# Allegro board ultrasound_tnr_1000a_01_20171121.brd (continued)
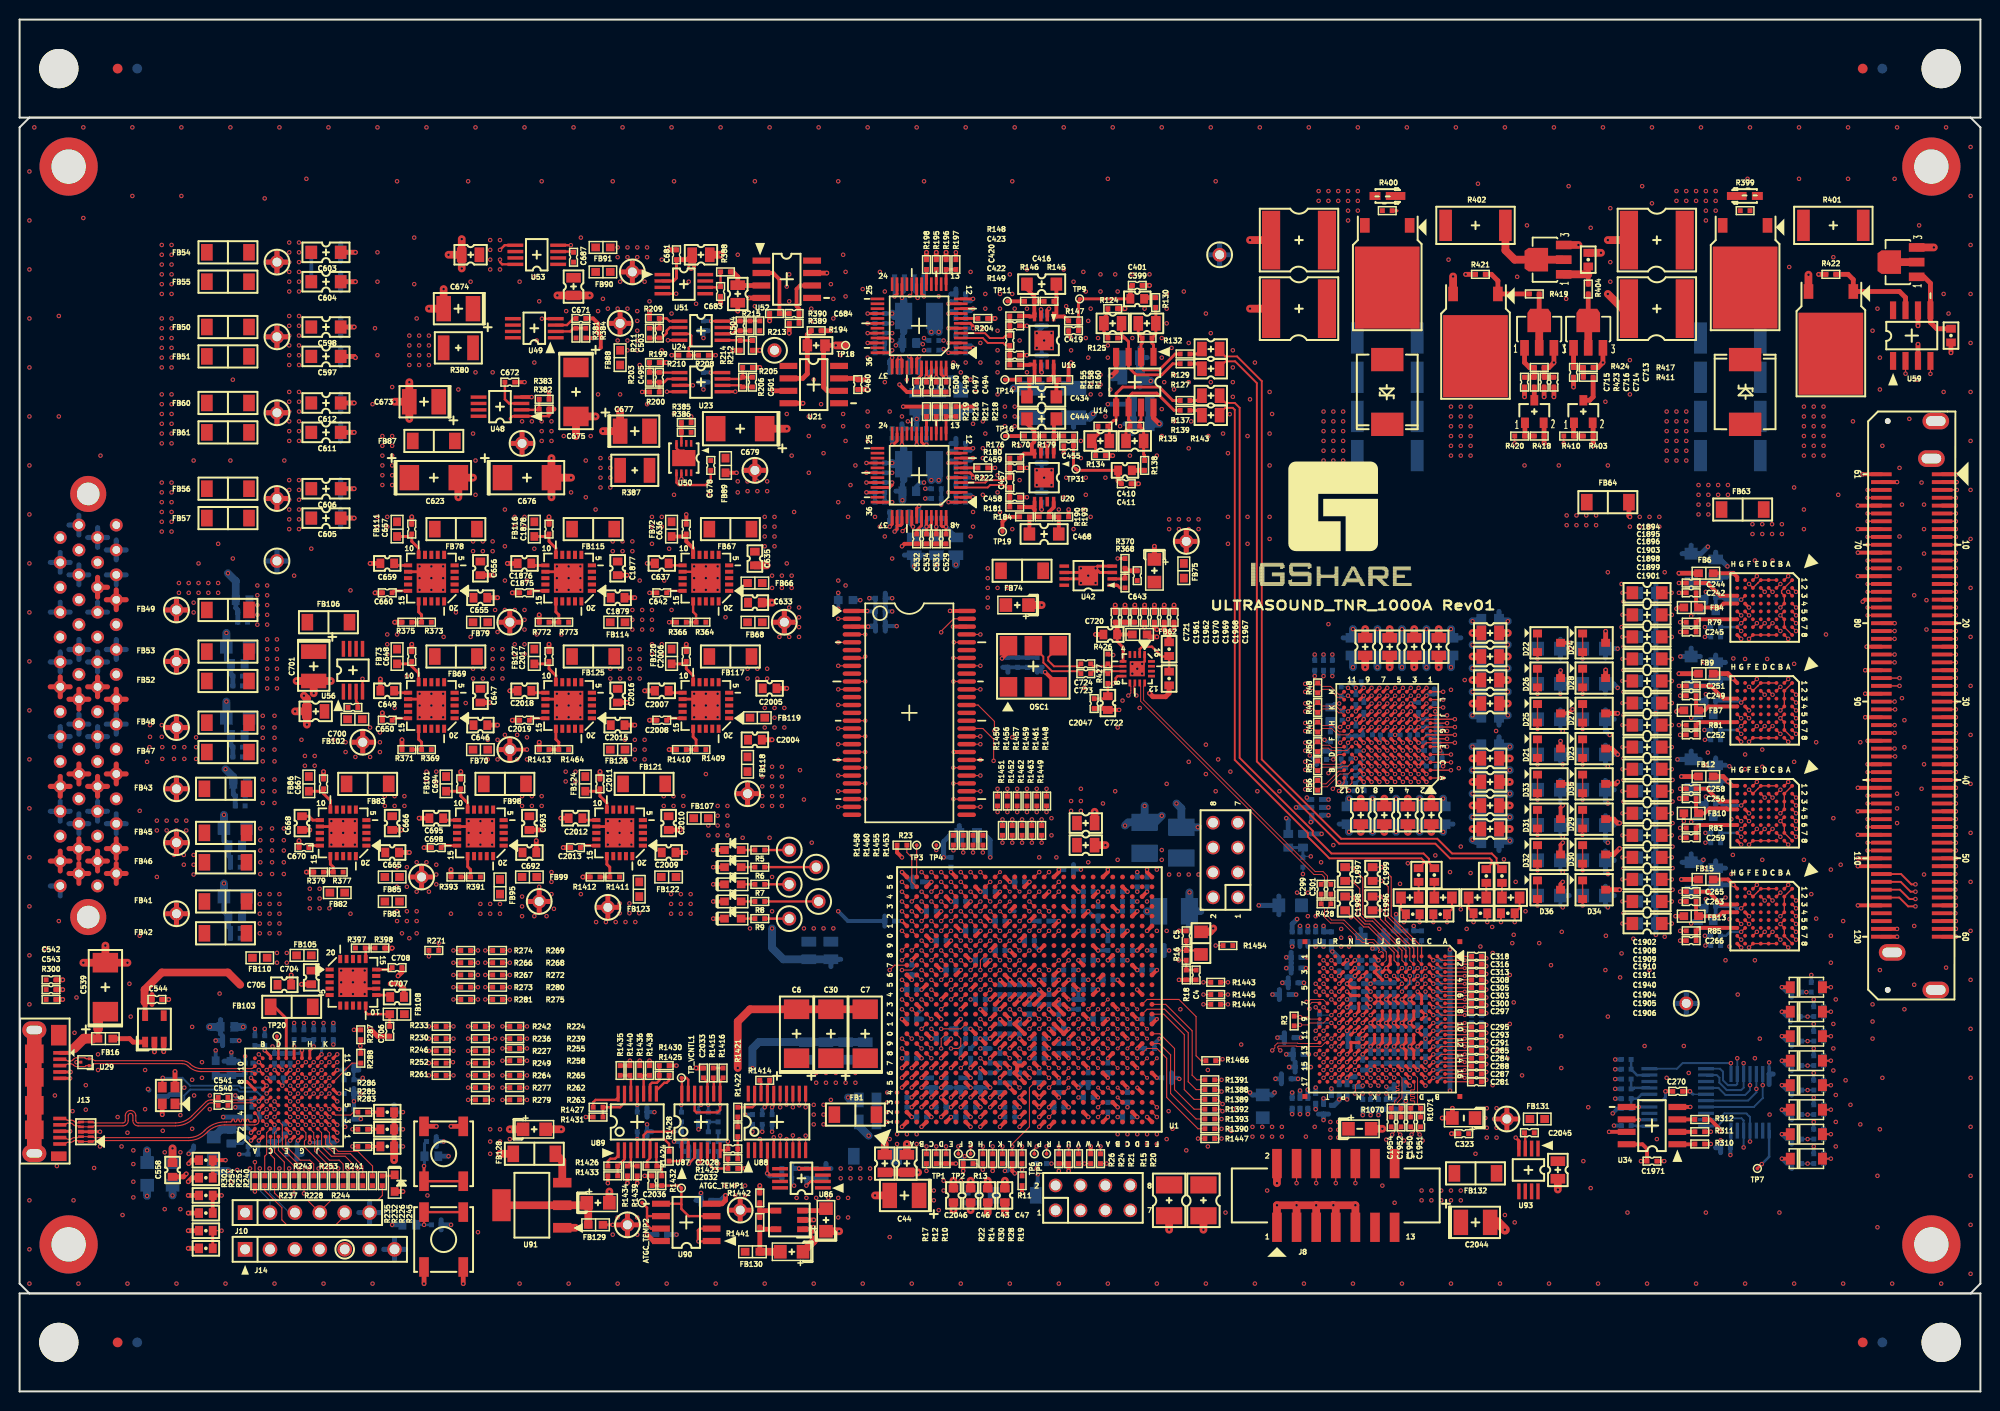
[diagram p0: board, top side]
## Placement (name value [footprint] x y rotation side) (continued)
R274  22  [RC1005]  45.5 45 180 top
R275  22  [RC1005]  48.75 40 180 top
R276  10K  [RC1608]  37.5 25 180 top
R277  22  [RC1005]  47 31 180 top
R278  10K  [RC1608]  37.5 25 180 bottom
R279  22  [RC1005]  47 29.75 180 top
R280  22  [RC1005]  48.75 41.25 180 top
R281  22  [RC1005]  45.5 40 180 top
R282  10K  [RC1608]  37.5 26.75 180 top
R283  22  [RC1005]  35 25 180 top
R284  10K  [RC1608]  37.5 26.75 180 bottom
R285  22  [RC1005]  35 26.75 180 top
R286  22  [RC1005]  35 28.5 180 top
R287  22  [RC1005]  34.8 36.4 270 top
R288  22  [RC1005]  34.8 34 270 top
R289  10K  [RC1608]  37.5 28.5 180 top
R290  10K  [RC1608]  37.5 28.5 180 bottom
R291  2K  [RC1005]  26 34 90 bottom
R292  2K  [RC1005]  26.8 34 90 bottom
R293  10K  [RC1608]  19 18.2 180 top
R294  10K  [RC1608]  19 23.6 180 top
R295  10K  [RC1608]  19 14.6 180 top
R296  10K  [RC1608]  19 20 0 top
R297  10K  [RC1608]  19 21.8 0 top
R298  10K  [RC1608]  19 16.4 0 top
R300  1M  [RC1005]  3.2 40 180 top
R301  6.04K  [RC1005]  26.4 32 0 bottom
R302  200  [RC1005]  24 21.5 270 top
R310  1K  [RC1005]  171.38 25.25 180 top
R311  1K  [RC1005]  171.38 26.5 180 top
R312  1K  [RC1005]  171.38 27.75 180 top
R356  26.1K  [RC3216]  31.25 105.62 180 bottom
R357  26.1K  [RC3216]  31.25 108.62 180 bottom
R358  26.1K  [RC3216]  31.25 113.25 180 bottom
R359  26.1K  [RC3216]  31.25 116.25 180 bottom
R360  26.1K  [RC3216]  31.25 89.12 180 bottom
R361  26.1K  [RC3216]  31.25 92.12 180 bottom
R362  26.1K  [RC3216]  31.25 97.88 180 bottom
R363  26.1K  [RC3216]  31.25 100.88 180 bottom
R364  15.4K  [RC1005]  69.5 78.5 0 top
R366  4.99K  [RC1005]  67.5 78.5 0 top
R368  36K  [RC1005]  112.75 82.5 270 top
R369  10.5K  [RC1005]  41.5 65.5 0 top
R370  20.5K  [RC1005]  112.75 84.5 270 top
R371  4.99K  [RC1005]  39.5 65.5 0 top
R373  6.19K  [RC1005]  41.5 78.5 0 top
R375  4.99K  [RC1005]  39.5 78.5 0 top
R377  2.37K  [RC1005]  32.5 53 0 top
R379  4.99K  [RC1005]  30.5 53 0 top
R380  0  [RC3225]  44.75 106.5 180 top
R381  10.2K  [RC1005]  56.75 108 270 top
R382  10K  [RC1005]  53.5 100.25 0 top
R383  1.37K  [RC1005]  53.5 101.25 180 top
R384  3.24K  [RC1005]  57.75 108 90 top
R385  3.32K  [RC1005]  68 98.88 0 top
R386  10K  [RC1005]  68 97.88 180 top
R387  0  [RC3225]  62.75 94 180 top
R388  10K  [RC1005]  72 114.25 180 top
R389  100  [RC1005]  79 109 0 top
R390  10K  [RC1005]  77 110 0 top
R391  1.24K  [RC1005]  46.5 52.5 0 top
R393  4.99K  [RC1005]  44.5 52.5 0 top
R397  15.4K  [RC1005]  34.75 45.25 180 top
R398  4.99K  [RC1005]  36.75 45.25 180 top
R399  47K  [RC1005]  176 120.5 180 top
R400  47K  [RC1005]  139.5 120.5 180 top
R401  4.7K  [RC6432]  185 119 180 top
R402  4.7K  [RC6432]  148.5 119 180 top
R403  47K  [RC1005]  160 97.5 180 top
R404  1K  [RC1005]  160 112.5 270 top
R405  120  [RC6432]  174.5 107.5 180 bottom
R406  120  [RC6432]  174.5 103.5 180 bottom
R407  120  [RC6432]  174.5 99.5 180 bottom
R408  120  [RC6432]  174.5 95.5 180 bottom
R409  10K  [RC1608]  197 107.75 90 top
R410  4.7K  [RC1005]  158 97.5 180 top
R411  10K  [RC1005]  160 103.5 0 top
R412  10K  [RC1608]  160 115.5 270 top
R413  120  [RC6432]  139.5 107.5 180 bottom
R414  120  [RC6432]  139.5 95.5 180 bottom
R415  120  [RC6432]  139.5 99.5 180 bottom
R416  120  [RC6432]  139.5 103.5 180 bottom
R417  47K  [RC1005]  160 104.5 180 top
R418  47K  [RC1005]  155 97.5 180 top
R419  1K  [RC1005]  154.5 112 0 top
R420  4.7K  [RC1005]  153 97.5 180 top
R421  10K  [RC1005]  149 114 0 top
R422  10K  [RC1005]  184.75 114 0 top
R423  10K  [RC1005]  154.5 103 270 top
R424  47K  [RC1005]  155 104.5 180 top
R425  100K  [RC1608]  39.75 17 0 bottom
R426  49.9  [RC1005]  111 74.75 90 top
R427  49.9  [RC1005]  111 72.75 270 top
R428  100  [RC1005]  133.25 49.75 180 top
R429  100  [RC1005]  132.6 38 90 bottom
R772  4.99K  [RC1005]  53.5 78.5 0 top
R773  15.4K  [RC1005]  55.5 78.5 0 top
R1022  1K  [RC2012]  166 81.5 180 bottom
R1024  1K  [RC2012]  166 79.25 180 bottom
R1026  1K  [RC2012]  166 77 180 bottom
R1031  1K  [RC2012]  166 72.5 180 bottom
R1033  1K  [RC2012]  166 70.25 180 bottom
R1037  1K  [RC2012]  166 68 180 bottom
R1039  1K  [RC2012]  166 65.75 180 bottom
R1040  1K  [RC2012]  166 74.75 180 bottom
R1041  1K  [RC2012]  166 54.5 180 bottom
R1043  1K  [RC2012]  166 52.25 180 bottom
R1045  1K  [RC2012]  166 50 180 bottom
R1047  1K  [RC2012]  166 47.75 180 bottom
R1051  1K  [RC2012]  166 63.5 180 bottom
R1053  1K  [RC2012]  166 61.25 180 bottom
R1055  1K  [RC2012]  166 59 180 bottom
R1057  1K  [RC2012]  166 56.75 180 bottom
R1070  100  [RC1005]  140.4 28.9 180 top
R1071  100  [RC1005]  142.4 28.9 0 top
R1074  10K  [RC1608]  129.4 56.2 270 bottom
R1388  0  [RC1005]  121.4 30.8 0 top
R1389  0  [RC1005]  121.4 29.8 0 top
R1390  0  [RC1005]  121.4 26.8 0 top
R1391  0  [RC1005]  121.4 31.8 0 top
R1392  0  [RC1005]  121.4 28.8 0 top
R1393  0  [RC1005]  121.4 27.8 0 top
R1397  2K  [RC1608]  149 48.8 0 bottom
R1398  2K  [RC1608]  151.8 48.8 180 bottom
R1399  499  [RC1608]  149.6 52.6 90 top
R1400  499  [RC1608]  151.2 52.6 90 top
R1401  2K  [RC1608]  144.9 48.7 180 bottom
R1402  499  [RC1608]  144.3 52.7 90 top
R1403  2K  [RC1608]  142.1 48.7 0 bottom
R1404  499  [RC1608]  142.7 52.7 90 top
R1405  2K  [RC1608]  138 49.8 270 bottom
R1406  2K  [RC1608]  135.2 52.8 270 bottom
R1407  2K  [RC1608]  135.2 49.8 90 bottom
R1408  2K  [RC1608]  138 52.8 90 bottom
R1409  6.19K  [RC1005]  69.5 65.5 0 top
R1410  4.99K  [RC1005]  67.5 65.5 0 top
R1411  6.19K  [RC1005]  60.7 52.5 0 top
R1412  4.99K  [RC1005]  58.7 52.5 0 top
R1413  4.99K  [RC1005]  53.5 65.5 0 top
R1414  22  [RC1005]  76 31.75 0 top
R1415  1K  [RC1005]  70.75 32.5 90 top
R1416  1K  [RC1005]  71.75 32.5 270 top
R1417  6.34K  [RC1005]  70.75 24.5 180 bottom
R1418  6.34K  [RC1005]  70.75 25.5 0 bottom
R1419  4.22K  [RC1005]  70.75 26.5 180 bottom
R1420  4.22K  [RC1005]  70.25 28 90 bottom
R1421  49.9  [RC1005]  73.25 28.5 270 top
R1422  6.34K  [RC1005]  73.25 26.5 270 top
R1423  6.34K  [RC1005]  72.75 23.75 180 top
R1424  2.87K  [RC1005]  64.5 23 0 top
R1425  2.87K  [RC1005]  65.75 32.25 0 top
R1426  2.87K  [RC1005]  60.5 23 180 top
R1427  2.87K  [RC1005]  59 29 180 top
R1428  4.7K  [RC1005]  66.25 24 90 top
R1429  4.7K  [RC1005]  67.5 28 270 bottom
R1430  4.7K  [RC1005]  65.75 33.25 180 top
R1431  4.7K  [RC1005]  59 28 0 top
R1432  887  [RC1005]  65.5 21.5 270 top
R1433  4.7K  [RC1005]  60.5 22 0 top
R1434  4.7K  [RC1005]  62 22.5 90 top
R1435  4.7K  [RC1005]  61.25 32.75 270 top
R1436  4.7K  [RC1005]  63.25 32.75 270 top
R1437  2.87K  [RC1005]  67.5 26 90 bottom
R1438  2.87K  [RC1005]  64.25 32.75 270 top
R1439  2.87K  [RC1005]  63 22.5 90 top
R1440  2.87K  [RC1005]  62.25 32.75 270 top
R1441  16.9K  [RC1005]  75.5 17.25 270 top
R1442  10K  [RC1005]  75.5 19.75 270 top
R1443  0  [RC1005]  122 41.75 180 top
R1444  0  [RC1005]  122 39.5 180 top
R1445  0  [RC1005]  122 40.5 180 top
R1446  0  [RC1005]  130.9 54 270 bottom
R1447  0  [RC1005]  121.4 25.8 0 top
R1448  0  [RC1005]  104.75 60.25 90 top
R1449  0  [RC1005]  104.25 57.25 90 top
R1450  0  [RC1005]  99.75 60.25 90 top
R1451  0  [RC1005]  100.25 57.25 90 top
R1452  0  [RC1005]  101.25 57.25 90 top
R1453  0  [RC1005]  98.25 56.25 90 top
R1454  0  [RC1005]  123.25 45.5 0 top
R1455  0  [RC1005]  97.25 56.25 90 top
R1456  0  [RC1005]  100.75 60.25 90 top
R1457  0  [RC1005]  101.75 60.25 90 top
R1458  0  [RC1005]  95.25 56.25 90 top
R1459  0  [RC1005]  102.75 60.25 90 top
R1460  0  [RC1005]  96.25 56.25 90 top
R1461  0  [RC1005]  103.75 60.25 90 top
R1462  0  [RC1005]  102.25 57.25 90 top
R1463  0  [RC1005]  103.25 57.25 90 top
R1464  10.5K  [RC1005]  55.5 65.5 0 top
R1465  0  [RC1005]  134.1 65.35 0 bottom
R1466  0  [RC1005]  121.5 33.75 0 top
R1467  10K  [RC1608]  117.25 75.75 90 top
R1468  10K/DNI  [RC1608]  117.25 72.75 90 top
SW1  EVQ-Q2P02W  [EVQQ2]  43.25 24.25 90 top
SW2  EVQ-Q2P02W  [EVQQ2]  43.25 15.5 270 top
TH1  HV_AHVP1  [1PIN-HDR]  26.25 107.62 180 top
TH2  HV_AHVN1  [1PIN-HDR]  26.25 115.25 180 top
TH3  HV_AHVP2  [1PIN-HDR]  26.25 91.12 180 top
TH4  HV_AHVN2  [1PIN-HDR]  26.25 99.88 180 top
TH5  A12VP  [1PIN-HDR]  16 61.5 180 top
TH7  A5VN  [1PIN-HDR]  16 79.75 180 top
TH8  D6VP  [1PIN-HDR]  16 74.5 180 top
TH9  D3V3P  [1PIN-HDR]  16 48.75 180 top
TH10  D2VP  [1PIN-HDR]  16 56 180 top
TH11  A3V5P  [1PIN-HDR]  16 67.75 180 top
TH12  GND  [1PIN-HDR]  122.4 116 180 top
TH13  GND  [1PIN-HDR]  170 39.6 180 top
TH14  GND  [1PIN-HDR]  26.25 84.75 180 top
TH15  A3V3P_PLS  [1PIN-HDR]  78 78.5 0 top
TH17  A3V3N_PLS  [1PIN-HDR]  119 86.75 0 top
TH18  D2V5P_FPGA  [1PIN-HDR]  50 65.5 0 top
TH22  A1V9P_AFE  [1PIN-HDR]  50 78.5 0 top
TH26  D1V2P_AFE  [1PIN-HDR]  41 52.5 0 top
TH27  PPMIX_10VP  [1PIN-HDR]  51.25 96.75 0 top
TH30  A5VP_CW  [1PIN-HDR]  61.25 109 0 top
TH31  A5VN_CW  [1PIN-HDR]  75 94 0 top
TH33  REF_2V5P  [1PIN-HDR]  77 106.25 0 top
TH35  AD_3.3VP  [1PIN-HDR]  62.5 114.25 0 top
TH39  D1VP_VCCINT  [1PIN-HDR]  53 50 0 top
TH41  A5VP_ADC  [1PIN-HDR]  35 66.25 0 top
TH42  D1VP_VCCINT  [1PIN-HDR]  74.25 61 0 top
TH43  D1V8P_FPGA  [1PIN-HDR]  60 49.4 0 top
TH44  A3V3P_VCNTL  [1PIN-HDR]  62 17 0 top
TH45  A3.3VN_VCNTL  [1PIN-HDR]  73.5 18.5 0 top
TH46  A5VP_AFE  [1PIN-HDR]  151.7 27.8 0 top
TP1  TP  [TP0_5_SMD]  95.75 24.25 0 top
TP2  TP  [TP0_5_SMD]  97 24.25 0 top
TP3  TP  [TP0_5_SMD]  91.5 55.75 0 top
TP4  TP  [TP0_5_SMD]  93.5 55.75 0 top
TP5  TP  [TP0_5_SMD]  104.75 24.25 0 top
TP6  TP  [TP0_5_SMD]  103.5 24.25 0 top
TP7  TP  [TP0_5_SMD]  177.25 22.75 0 top
TP9  SCW_ISUM  [TP0_5_SMD]  108.12 111.5 0 top
TP11  CW_I_ADP  [TP0_5_SMD]  100.75 111.25 0 top
TP14  CW_I_ADN  [TP0_5_SMD]  100.5 103.25 0 top
TP16  CW_Q_ADP  [TP0_5_SMD]  100.5 97.5 0 top
TP18  REF_2V5  [TP0_5_SMD]  84.25 106.75 0 top
TP19  CW_Q_ADN  [TP0_5_SMD]  100.25 87.75 0 top
TP20  TP  [TP0_5_SMD]  26.25 36.25 0 top
TP31  SCW_QSUM  [TP0_5_SMD]  107.75 94.12 0 top
TP_VCNTL1  TP  [TP0_5_SMD]  67.5 32 90 top
U1  XC7K70T-FB(G)676  [BGA676_26_1_SMD]  103 40 90 top
U3  STHV1600  [BGA144_WH10_40_P0_800]  139.5 67 180 top
U4  -  [MAX4968]  178 80 270 top
U5  -  [MAX4968]  178 69.5 270 top
U6  -  [MAX4968]  178 59 270 top
U7  -  [MAX4968]  178 48.5 270 top
U8  PCF8574PW  [TSSOP20_4_4_6_4_0_65]  169.12 30 90 bottom
U9  74AHC30PW  [TSSOP14_4_4_6_4_0_65]  176.5 29.5 0 bottom
U11  AFE5818  [BGA289_WH15_00_P0_800]  139 38 270 top
U14  OPA2614D  [SOP8_3_9_6_1_27]  113.75 103 180 top
U16  THS4131CDGN/TI  [DGN8_3_0_65]  104.5 107.25 180 top
U20  THS4131CDGN/TI  [DGN8_3_0_65]  104.5 93.25 180 top
U21  AD820ARZ/ADI/SOP8  [SOP8_3_9_6_1_27]  81 102.75 270 top
U22  ADS1601IPFBR/TI  [QFP48WH8_50P0_500F1_40]  91.75 108.75 90 top
U23  OPA2822E/TI/SOP8  [MSOP8_3_4_9_0_65]  69.5 103 270 top
U24  OPA2822E/TI/SOP8  [MSOP8_3_4_9_0_65]  69.5 108.25 270 top
U25  ADS1601IPFBR/TI  [QFP48WH8_50P0_500F1_40]  91.75 93.5 90 top
U26  FX3_121_BUMP_4  [BGA121_WH10_00_P0_800]  28 30 90 top
U27  TPD4E05U06__DQA  [SOP10W1P0_500F0_55]  6.75 26.5 90 top
U29  TPD2EUSB30ADRTR  [SOT-3P_DRT]  6.75 33.6 90 top
U30  NCP360SNT1G  [SOT23-5P]  13.75 37 0 top
U31  IS45S16800F-7TLA1  [TSSOP54W12_00P0_800F0_80]  90.75 69.25 270 top
U34  AT24HC02C-SSHM__  [SOP8_3_9_6_1_27]  166.5 27.12 90 top
U40  TPS74201RGWR  [QFN20WH5_00P0_650F0_55H3_00]  70 83 90 top
U42  TPS7A3401DGN  [DGN8_3_0_65]  109 83.25 90 top
U43  TPS74201RGWR  [QFN20WH5_00P0_650F0_55H3_00]  42 70 90 top
U45  TPS74201RGWR  [QFN20WH5_00P0_650F0_55H3_00]  42 83 90 top
U47  TPS74201RGWR  [QFN20WH5_00P0_650F0_55H3_00]  33 57 90 top
U48  LT1962EMS8/Linear__tech  [MSOP8_3_4_9_0_65]  49 100.5 90 top
U49  LT1962EMS8/Linear__tech  [MSOP8_3_4_9_0_65]  52.5 108.5 90 top
U50  LT1964EDD#PBF/Linear__tech  [DFN8_3_0_5]  67.75 95.25 180 top
U51  ADR441ARMZ/ADI  [MSOP8_3_4_9_0_65]  67.75 113 270 top
U52  AD820ARZ/ADI  [SOP8_3_9_6_1_27]  78.25 113.5 270 top
U53  LT1962EMS8-3.3  [MSOP8_3_4_9_0_65]  52.75 116 90 top
U55  TPS74201RGWR  [QFN20WH5_00P0_650F0_55H3_00]  47 57 90 top
U56  LT1962EMS8-5  [MSOP8_3_4_9_0_65]  34 73.6 0 top
U58  TPS74201RGWR  [QFN20WH5_00P0_650F0_55H3_00]  34 41.75 270 top
U59  EL7202CS  [SOP8_3_9_6_1_27]  193 107.75 0 top
U60  CDCLVD2102RGTR__  [QFN16WH3_00P0_500F0_60H1_55]  114 73.75 180 top
U78  TPS74201RGWR  [QFN20WH5_00P0_650F0_55H3_00]  56 70 90 top
U79  TPS74201RGWR  [QFN20WH5_00P0_650F0_55H3_00]  56 83 90 top
U83  TPS74201RGWR  [QFN20WH5_00P0_650F0_55H3_00]  70 70 90 top
U84  TPS74201RGWR  [QFN20WH5_00P0_650F0_55H3_00]  61.2 57 90 top
U86  ADR291GRUZ  [MSOP8_3_4_9_0_65]  79.75 21.75 90 top
U87  OP462HRUZ  [TSSOP14_4_4_6_4_0_65]  69.5 27.5 0 top
U88  AD7305BRUZ  [TSSOP20_4_4_6_4_0_65]  77.25 27.5 0 top
U89  OP462HRUZ  [TSSOP14_4_4_6_4_0_65]  63 27.5 0 top
U90  OP262  [SOP8_3_9_6_1_27]  68 17.25 90 top
U91  LM1117MPX-3.3  [SOT-223]  52.25 19 90 top
U92  LT1964ES5-SD  [SOT23-5P]  78.5 17.5 90 top
U93  LT1962EMS8-5  [MSOP8_3_4_9_0_65]  153.9 22.6 180 top
Y1  ABM10W-19.2000MHZ-4-D1X-T3  [NX2520SA]  15.2 30.2 90 top

## Library data of the parts
ATGC_TEMP1 ATGC_TEMP2 TP1-TP7 TP9 TP11 TP14 TP16 TP18-TP20 TP31 TP_VCNTL1 = _TP0_5_SMD
C3-C5 C245 C246 C252 C253 C259 C260 C266 C267 C272-C275 C277-C280 C282 C283 C286 C289 C290 C292 C294 C296 C298 C302 C304 C306 C310 C315 C317 C319 C401 C411 C419 C420 C422 C423 C455 C457-C459 C469 C471-C473 C479 C481-C485 C495 C501 C503-C505 C507-C509 C515 C517-C521 C537 C538 C554 C562 C566 C568 C570 C572 C575 C596 C602 C615 C619 C627 C632 C642 C643 C650 C660 C670-C672 C678 C684 C687 C698 C700 C708 C718 C719 C1875 C1965 C1972-C1987 C2000-C2003 C2008 C2013 C2019 C2020 C2026 C2028 C2031 C2036 C2045 C2047 = _CC1005
C6 C7 C30 C539 C623 C675 C676 C679 = _TC6032
C8-C22 C26-C28 C32 C33 C35-C42 C45 C48-C59 C62-C75 C79-C91 C93-C104 C107-C112 C115-C119 C122-C128 C196 C210-C213 C215-C223 C227-C239 C242-C244 C249-C251 C256-C258 C263-C265 C270 C271 C281 C284 C285 C287 C288 C291 C293 C295 C297 C299-C301 C303 C305 C308 C313 C316 C318 C320-C324 C326-C333 C335-C341 C343-C373 C375-C393 C418 C428 C452 C460 C462 C470 C474-C476 C480 C486-C492 C494 C497 C499 C500 C502 C506 C510-C512 C516 C522-C527 C529 C531 C532 C534-C536 C540-C553 C555 C557 C559 C561 C563 C565 C567 C569 C571 C573 C574 C595 C601 C614 C618 C626 C631 C636 C648 C657 C667 C681 C683 C694 C706 C714 C716 C717 C721 C723 C724 C1878 C1950-C1952 C1954 C1961-C1964 C1966-C1971 C2006 C2011 C2017 C2022-C2025 C2027 C2030 C2034 C2035 C2037 C2038 = _CC1005: signal model: _CC1005_100nF
C29 C31 C76-C78 C113 C114 C120 C121 C129 C130 C141-C158 C163-C180 C248 C255 C262 C269 C395-C398 C400 C402-C404 C406 C408 C409 C414 C493 C496 C498 C528 C530 C533 C609 C610 C680 C682 C685 C686 C699 C2043 = _CC2012
C43 C46 C47 C399 C410 C478 C514 C556 C558 C560 C564 C594 C600 C613 C617 C625 C630 C633 C635 C637 C646 C647 C649 C655 C656 C659 C665 C666 C668 C692 C693 C695 C704 C705 C707 C720 C722 C1876 C1877 C1879 C1996-C1999 C2004 C2005 C2007 C2009 C2010 C2012 C2015 C2016 C2018 C2046 = _CC1608
C44 C417 C429 C673 C674 C677 C701 C2044 = _TC3528
C60 C61 C92 C105 C106 C477 C513 = _CC3225
C247 C254 C261 C268 C416 C434 C444 C468 C597 C598 C603-C606 C611 C612 C1894-C1896 C1898 C1899 C1901-C1906 C1908-C1911 C1940 = _CC3216
C325 C334 C342 C374 C394 C599 C616 C628 C629 C644 C645 C2039-C2042 = _TC2012
C709-C712 = _CC5750
C713 C715 = _CC1005: signal model: _CC1005_100nF/DNI
C1988 C1990 C1992 C1994 R53 R58 R270 R276 R278 R282 R284 R289 R290 R293-R298 R409 R412 R425 R1074 R1397-R1408 R1467 R1468 = _RC1608
C1989 C1991 C1993 C1995 R192 R1022 R1024 R1026 R1031 R1033 R1037 R1039-R1041 R1043 R1045 R1047 R1051 R1053 R1055 R1057 = _RC2012
C2021 C2029 C2032 C2033 R5-R32 R61 R64-R66 R87-R93 R95-R98 R100-R103 R111-R118 R124 R125 R127 R129 R130 R132 R134 R135 R137-R139 R143 R145-R149 R155 R158 R160 R170 R176 R179-R181 R184 R190 R193-R223 R245 R291 R292 R300-R302 R310-R312 R364 R366 R368-R371 R373 R375 R377 R379 R381-R386 R388 R390 R391 R393 R397-R400 R403 R404 R410 R411 R417-R424 R426 R427 R772 R773 R1388-R1393 R1409-R1413 R1415-R1466 = _RC1005
D1-D5 D20 = _LED1608
D6-D13 = _SOD-123W
D14 D15 = _DO-214AB
D16 D17 = _ZD-TFZ12B
D21-D36 = _SOT-23
FB1-FB3 FB41-FB43 FB45-FB57 FB60 FB61 FB63 FB64 FB67 FB69 FB74 FB78 FB83 FB87 FB98 FB103 FB106 FB115 FB117 FB121 FB125 FB128 FB132 = _BEAD4516
FB4-FB16 FB62 FB66 FB68 FB70 FB72 FB73 FB75 FB79 FB81 FB82 FB84-FB86 FB88-FB91 FB95 FB99 FB101 FB102 FB105 FB107-FB111 FB114 FB116 FB118-FB120 FB122-FB124 FB126 FB127 FB129-FB131 = _BEAD1608
FB17-FB19 FB133 L2-L17 = _BEAD2012
H1-H4 = _HOLE3_5
J1 J18 = _HEADER2X4_2_54MM
J3-J7 TH1-TH5 TH7-TH15 TH17 TH18 TH22 TH26 TH27 TH30 TH31 TH33 TH35 TH39 TH41-TH46 = _1PIN-HDR
J8 = _BOX_HEADER2X7_2MM_SMD
J10 = _HEADER6
J12 = _8832E-060-FS-N-F
J13 = _ZX360D-B-10P
J14 = _HEADER7
J17 = _FX18-120S_0_8SV15-HRS
OSC1 = _SLO-10
Q1 Q2 Q7 Q8 = _TO-252
Q3 Q4 Q6 Q10 = _SOT89-B
Q5 Q9 = _SOT23
R3 R45-R50 R56 R57 R389 R428 R429 R1070 R1071 = _RC1005: signal model: _RC1005_100
R79-R86 = _RC1005: signal model: _RC1005_20
R224-R244 R246-R269 R271-R275 R277 R279-R281 R283 R285-R288 R1414 = _RC1005: signal model: _RC1005_22
R356-R363 = _RC3216
R380 R387 = _RC3225
R401 R402 R405-R408 R413-R416 = _RC6432
SW1 SW2 = _EVQQ2
U1 = _BGA676_26_1_SMD
U3 = _BGA144_WH10_40_P0_800
U4-U7 = _MAX4968
U8 U88 = _TSSOP20_4_4_6_4_0_65
U9 U87 U89 = _TSSOP14_4_4_6_4_0_65
U11 = _BGA289_WH15_00_P0_800
U14 U21 U34 U52 U59 U90 = _SOP8_3_9_6_1_27
U16 U20 U42 = _DGN8_3_0_65
U22 U25 = _QFP48WH8_50P0_500F1_40
U23 U24 U48 U49 U51 U53 U56 U86 U93 = _MSOP8_3_4_9_0_65
U26 = _BGA121_WH10_00_P0_800
U27 = _SOP10W1P0_500F0_55
U29 = _SOT-3P_DRT
U30 U92 = _SOT23-5P
U31 = _TSSOP54W12_00P0_800F0_80
U40 U43 U45 U47 U55 U58 U78 U79 U83 U84 = _QFN20WH5_00P0_650F0_55H3_00
U50 = _DFN8_3_0_5
U60 = _QFN16WH3_00P0_500F0_60H1_55
U91 = _SOT-223
Y1 = _NX2520SA

## Footprints (pads in the part's own frame, mm; a bottom-side part is the same pattern mirrored in y, then rotated)
1PIN-HDR
  round 1.422 hole 0.914: 1(0,0)
8832E-060-FS-N-F
  round 1.321 hole 0.787: 1(-18.415,-2.857) 2(-18.415,0.953) 3(-17.145,-0.953) 4(-17.145,2.857) 5(-15.875,-2.857) 6(-15.875,0.953) 7(-14.605,-0.953) 8(-14.605,2.857) 9(-13.335,-2.857) 10(-13.335,0.953) 11(-12.065,-0.953) 12(-12.065,2.857) 13(-10.795,-2.857) 14(-10.795,0.953) 15(-9.525,-0.953) 16(-9.525,2.857) 17(-8.255,-2.857) 18(-8.255,0.953) 19(-6.985,-0.953) 20(-6.985,2.857) 21(-5.715,-2.857) 22(-5.715,0.953) 23(-4.445,-0.953) 24(-4.445,2.857) 25(-3.175,-2.857) 26(-3.175,0.953) 27(-1.905,-0.953) 28(-1.905,2.857) 29(-0.635,-2.857) 30(-0.635,0.953) 31(0.635,-0.953) 32(0.635,2.857) 33(1.905,-2.857) 34(1.905,0.953) 35(3.175,-0.953) 36(3.175,2.857) 37(4.445,-2.857) 38(4.445,0.953) 39(5.715,-0.953) 40(5.715,2.857) 41(6.985,-2.857) 42(6.985,0.953) 43(8.255,-0.953) 44(8.255,2.857) 45(9.525,-2.857) 46(9.525,0.953) 47(10.795,-0.953) 48(10.795,2.857) 49(12.065,-2.857) 50(12.065,0.953) 51(13.335,-0.953) 52(13.335,2.857) 53(14.605,-2.857) 54(14.605,0.953) 55(15.875,-0.953) 56(15.875,2.857) 57(17.145,-2.857) 58(17.145,0.953) 59(18.415,-0.953) 60(18.415,2.857)
  round 3.683 hole 2.311: 61(-21.59,0) 62(21.59,0)
BEAD1608
  rect 0.889x0.813 smd: 1(-0.75,0) 2(0.75,0)
BEAD2012
  rect 1.295x1.397 smd: 1(-1.156,0) 2(1.156,0)
BEAD4516
  rect 1.194x1.702 smd: 1(-2.15,0) 2(2.15,0)
BGA121_WH10_00_P0_800
  round 0.406 smd: A1(-4,4) A2(-3.2,4) A3(-2.4,4) A4(-1.6,4) A5(-0.8,4) A6(0,4) A7(0.8,4) A8(1.6,4) A9(2.4,4) A10(3.2,4) A11(4,4) B1(-4,3.2) B2(-3.2,3.2) B3(-2.4,3.2) B4(-1.6,3.2) B5(-0.8,3.2) B6(0,3.2) B7(0.8,3.2) B8(1.6,3.2) B9(2.4,3.2) B10(3.2,3.2) B11(4,3.2) C1(-4,2.4) C2(-3.2,2.4) C3(-2.4,2.4) C4(-1.6,2.4) C5(-0.8,2.4) C6(0,2.4) C7(0.8,2.4) C8(1.6,2.4) C9(2.4,2.4) C10(3.2,2.4) C11(4,2.4) D1(-4,1.6) D2(-3.2,1.6) D3(-2.4,1.6) D4(-1.6,1.6) D5(-0.8,1.6) D6(0,1.6) D7(0.8,1.6) D8(1.6,1.6) D9(2.4,1.6) D10(3.2,1.6) D11(4,1.6) E1(-4,0.8) E2(-3.2,0.8) E3(-2.4,0.8) E4(-1.6,0.8) E5(-0.8,0.8) E6(0,0.8) E7(0.8,0.8) E8(1.6,0.8) E9(2.4,0.8) E10(3.2,0.8) E11(4,0.8) F1(-4,0) F2(-3.2,0) F3(-2.4,0) F4(-1.6,0) F5(-0.8,0) F6(0,0) F7(0.8,0) F8(1.6,0) F9(2.4,0) F10(3.2,0) F11(4,0) G1(-4,-0.8) G2(-3.2,-0.8) G3(-2.4,-0.8) G4(-1.6,-0.8) G5(-0.8,-0.8) G6(0,-0.8) G7(0.8,-0.8) G8(1.6,-0.8) G9(2.4,-0.8) G10(3.2,-0.8) G11(4,-0.8) H1(-4,-1.6) H2(-3.2,-1.6) H3(-2.4,-1.6) H4(-1.6,-1.6) H5(-0.8,-1.6) H6(0,-1.6) H7(0.8,-1.6) H8(1.6,-1.6) H9(2.4,-1.6) H10(3.2,-1.6) H11(4,-1.6) J1(-4,-2.4) J2(-3.2,-2.4) J3(-2.4,-2.4) J4(-1.6,-2.4) J5(-0.8,-2.4) J6(0,-2.4) J7(0.8,-2.4) J8(1.6,-2.4) J9(2.4,-2.4) J10(3.2,-2.4) J11(4,-2.4) K1(-4,-3.2) K2(-3.2,-3.2) K3(-2.4,-3.2) K4(-1.6,-3.2) K5(-0.8,-3.2) K6(0,-3.2) K7(0.8,-3.2) K8(1.6,-3.2) K9(2.4,-3.2) K10(3.2,-3.2) K11(4,-3.2) L1(-4,-4) L2(-3.2,-4) L3(-2.4,-4) L4(-1.6,-4) L5(-0.8,-4) L6(0,-4) L7(0.8,-4) L8(1.6,-4) L9(2.4,-4) L10(3.2,-4) L11(4,-4)
BGA144_WH10_40_P0_800
  round 0.406 smd: A1(-4.4,4.4) A2(-3.6,4.4) A3(-2.8,4.4) A4(-2,4.4) A5(-1.2,4.4) A6(-0.4,4.4) A7(0.4,4.4) A8(1.2,4.4) A9(2,4.4) A10(2.8,4.4) A11(3.6,4.4) A12(4.4,4.4) B1(-4.4,3.6) B2(-3.6,3.6) B3(-2.8,3.6) B4(-2,3.6) B5(-1.2,3.6) B6(-0.4,3.6) B7(0.4,3.6) B8(1.2,3.6) B9(2,3.6) B10(2.8,3.6) B11(3.6,3.6) B12(4.4,3.6) C1(-4.4,2.8) C2(-3.6,2.8) C3(-2.8,2.8) C4(-2,2.8) C5(-1.2,2.8) C6(-0.4,2.8) C7(0.4,2.8) C8(1.2,2.8) C9(2,2.8) C10(2.8,2.8) C11(3.6,2.8) C12(4.4,2.8) D1(-4.4,2) D2(-3.6,2) D3(-2.8,2) D4(-2,2) D5(-1.2,2) D6(-0.4,2) D7(0.4,2) D8(1.2,2) D9(2,2) D10(2.8,2) D11(3.6,2) D12(4.4,2) E1(-4.4,1.2) E2(-3.6,1.2) E3(-2.8,1.2) E4(-2,1.2) E5(-1.2,1.2) E6(-0.4,1.2) E7(0.4,1.2) E8(1.2,1.2) E9(2,1.2) E10(2.8,1.2) E11(3.6,1.2) E12(4.4,1.2) F1(-4.4,0.4) F2(-3.6,0.4) F3(-2.8,0.4) F4(-2,0.4) F5(-1.2,0.4) F6(-0.4,0.4) F7(0.4,0.4) F8(1.2,0.4) F9(2,0.4) F10(2.8,0.4) F11(3.6,0.4) F12(4.4,0.4) G1(-4.4,-0.4) G2(-3.6,-0.4) G3(-2.8,-0.4) G4(-2,-0.4) G5(-1.2,-0.4) G6(-0.4,-0.4) G7(0.4,-0.4) G8(1.2,-0.4) G9(2,-0.4) G10(2.8,-0.4) G11(3.6,-0.4) G12(4.4,-0.4) H1(-4.4,-1.2) H2(-3.6,-1.2) H3(-2.8,-1.2) H4(-2,-1.2) H5(-1.2,-1.2) H6(-0.4,-1.2) H7(0.4,-1.2) H8(1.2,-1.2) H9(2,-1.2) H10(2.8,-1.2) H11(3.6,-1.2) H12(4.4,-1.2) J1(-4.4,-2) J2(-3.6,-2) J3(-2.8,-2) J4(-2,-2) J5(-1.2,-2) J6(-0.4,-2) J7(0.4,-2) J8(1.2,-2) J9(2,-2) J10(2.8,-2) J11(3.6,-2) J12(4.4,-2) K1(-4.4,-2.8) K2(-3.6,-2.8) K3(-2.8,-2.8) K4(-2,-2.8) K5(-1.2,-2.8) K6(-0.4,-2.8) K7(0.4,-2.8) K8(1.2,-2.8) K9(2,-2.8) K10(2.8,-2.8) K11(3.6,-2.8) K12(4.4,-2.8) L1(-4.4,-3.6) L2(-3.6,-3.6) L3(-2.8,-3.6) L4(-2,-3.6) L5(-1.2,-3.6) L6(-0.4,-3.6) L7(0.4,-3.6) L8(1.2,-3.6) L9(2,-3.6) L10(2.8,-3.6) L11(3.6,-3.6) L12(4.4,-3.6) M1(-4.4,-4.4) M2(-3.6,-4.4) M3(-2.8,-4.4) M4(-2,-4.4) M5(-1.2,-4.4) M6(-0.4,-4.4) M7(0.4,-4.4) M8(1.2,-4.4) M9(2,-4.4) M10(2.8,-4.4) M11(3.6,-4.4) M12(4.4,-4.4)
BGA289_WH15_00_P0_800
  rect 0.508x0.508 smd: (-7.902,7.902) (-7.902,-7.902) (7.902,7.902) (7.902,-7.902)
  round 0.406 smd: A1(-6.4,6.4) A2(-5.6,6.4) A3(-4.8,6.4) A4(-4,6.4) A5(-3.2,6.4) A6(-2.4,6.4) A7(-1.6,6.4) A8(-0.8,6.4) A9(0,6.4) A10(0.8,6.4) A11(1.6,6.4) A12(2.4,6.4) A13(3.2,6.4) A14(4,6.4) A15(4.8,6.4) A16(5.6,6.4) A17(6.4,6.4) B1(-6.4,5.6) B2(-5.6,5.6) B3(-4.8,5.6) B4(-4,5.6) B5(-3.2,5.6) B6(-2.4,5.6) B7(-1.6,5.6) B8(-0.8,5.6) B9(0,5.6) B10(0.8,5.6) B11(1.6,5.6) B12(2.4,5.6) B13(3.2,5.6) B14(4,5.6) B15(4.8,5.6) B16(5.6,5.6) B17(6.4,5.6) C1(-6.4,4.8) C2(-5.6,4.8) C3(-4.8,4.8) C4(-4,4.8) C5(-3.2,4.8) C6(-2.4,4.8) C7(-1.6,4.8) C8(-0.8,4.8) C9(0,4.8) C10(0.8,4.8) C11(1.6,4.8) C12(2.4,4.8) C13(3.2,4.8) C14(4,4.8) C15(4.8,4.8) C16(5.6,4.8) C17(6.4,4.8) D1(-6.4,4) D2(-5.6,4) D3(-4.8,4) D4(-4,4) D5(-3.2,4) D6(-2.4,4) D7(-1.6,4) D8(-0.8,4) D9(0,4) D10(0.8,4) D11(1.6,4) D12(2.4,4) D13(3.2,4) D14(4,4) D15(4.8,4) D16(5.6,4) D17(6.4,4) E1(-6.4,3.2) E2(-5.6,3.2) E3(-4.8,3.2) E4(-4,3.2) E5(-3.2,3.2) E6(-2.4,3.2) E7(-1.6,3.2) E8(-0.8,3.2) E9(0,3.2) E10(0.8,3.2) E11(1.6,3.2) E12(2.4,3.2) E13(3.2,3.2) E14(4,3.2) E15(4.8,3.2) E16(5.6,3.2) E17(6.4,3.2) F1(-6.4,2.4) F2(-5.6,2.4) F3(-4.8,2.4) F4(-4,2.4) F5(-3.2,2.4) F6(-2.4,2.4) F7(-1.6,2.4) F8(-0.8,2.4) F9(0,2.4) F10(0.8,2.4) F11(1.6,2.4) F12(2.4,2.4) F13(3.2,2.4) F14(4,2.4) F15(4.8,2.4) F16(5.6,2.4) F17(6.4,2.4) G1(-6.4,1.6) G2(-5.6,1.6) G3(-4.8,1.6) G4(-4,1.6) G5(-3.2,1.6) G6(-2.4,1.6) G7(-1.6,1.6) G8(-0.8,1.6) G9(0,1.6) G10(0.8,1.6) G11(1.6,1.6) G12(2.4,1.6) G13(3.2,1.6) G14(4,1.6) G15(4.8,1.6) G16(5.6,1.6) G17(6.4,1.6) H1(-6.4,0.8) H2(-5.6,0.8) H3(-4.8,0.8) H4(-4,0.8) H5(-3.2,0.8) H6(-2.4,0.8) H7(-1.6,0.8) H8(-0.8,0.8) H9(0,0.8) H10(0.8,0.8) H11(1.6,0.8) H12(2.4,0.8) H13(3.2,0.8) H14(4,0.8) H15(4.8,0.8) H16(5.6,0.8) H17(6.4,0.8) J1(-6.4,0) J2(-5.6,0) J3(-4.8,0) J4(-4,0) J5(-3.2,0) J6(-2.4,0) J7(-1.6,0) J8(-0.8,0) J9(0,0) J10(0.8,0) J11(1.6,0) J12(2.4,0) J13(3.2,0) J14(4,0) J15(4.8,0) J16(5.6,0) J17(6.4,0) K1(-6.4,-0.8) K2(-5.6,-0.8) K3(-4.8,-0.8) K4(-4,-0.8) K5(-3.2,-0.8) K6(-2.4,-0.8) K7(-1.6,-0.8) K8(-0.8,-0.8) K9(0,-0.8) K10(0.8,-0.8) K11(1.6,-0.8) K12(2.4,-0.8) K13(3.2,-0.8) K14(4,-0.8) K15(4.8,-0.8) K16(5.6,-0.8) K17(6.4,-0.8) L1(-6.4,-1.6) L2(-5.6,-1.6) L3(-4.8,-1.6) L4(-4,-1.6) L5(-3.2,-1.6) L6(-2.4,-1.6) L7(-1.6,-1.6) L8(-0.8,-1.6) L9(0,-1.6) L10(0.8,-1.6) L11(1.6,-1.6) L12(2.4,-1.6) L13(3.2,-1.6) L14(4,-1.6) L15(4.8,-1.6) L16(5.6,-1.6) L17(6.4,-1.6) M1(-6.4,-2.4) M2(-5.6,-2.4) M3(-4.8,-2.4) M4(-4,-2.4) M5(-3.2,-2.4) M6(-2.4,-2.4) M7(-1.6,-2.4) M8(-0.8,-2.4) M9(0,-2.4) M10(0.8,-2.4) M11(1.6,-2.4) M12(2.4,-2.4) M13(3.2,-2.4) M14(4,-2.4) M15(4.8,-2.4) M16(5.6,-2.4) M17(6.4,-2.4) N1(-6.4,-3.2) N2(-5.6,-3.2) N3(-4.8,-3.2) N4(-4,-3.2) N5(-3.2,-3.2) N6(-2.4,-3.2) N7(-1.6,-3.2) N8(-0.8,-3.2) N9(0,-3.2) N10(0.8,-3.2) N11(1.6,-3.2) N12(2.4,-3.2) N13(3.2,-3.2) N14(4,-3.2) N15(4.8,-3.2) N16(5.6,-3.2) N17(6.4,-3.2) P1(-6.4,-4) P2(-5.6,-4) P3(-4.8,-4) P4(-4,-4) P5(-3.2,-4) P6(-2.4,-4) P7(-1.6,-4) P8(-0.8,-4) P9(0,-4) P10(0.8,-4) P11(1.6,-4) P12(2.4,-4) P13(3.2,-4) P14(4,-4) P15(4.8,-4) P16(5.6,-4) P17(6.4,-4) R1(-6.4,-4.8) R2(-5.6,-4.8) R3(-4.8,-4.8) R4(-4,-4.8) R5(-3.2,-4.8) R6(-2.4,-4.8) R7(-1.6,-4.8) R8(-0.8,-4.8) R9(0,-4.8) R10(0.8,-4.8) R11(1.6,-4.8) R12(2.4,-4.8) R13(3.2,-4.8) R14(4,-4.8) R15(4.8,-4.8) R16(5.6,-4.8) R17(6.4,-4.8) T1(-6.4,-5.6) T2(-5.6,-5.6) T3(-4.8,-5.6) T4(-4,-5.6) T5(-3.2,-5.6) T6(-2.4,-5.6) T7(-1.6,-5.6) T8(-0.8,-5.6) T9(0,-5.6) T10(0.8,-5.6) T11(1.6,-5.6) T12(2.4,-5.6) T13(3.2,-5.6) T14(4,-5.6) T15(4.8,-5.6) T16(5.6,-5.6) T17(6.4,-5.6) U1(-6.4,-6.4) U2(-5.6,-6.4) U3(-4.8,-6.4) U4(-4,-6.4) U5(-3.2,-6.4) U6(-2.4,-6.4) U7(-1.6,-6.4) U8(-0.8,-6.4) U9(0,-6.4) U10(0.8,-6.4) U11(1.6,-6.4) U12(2.4,-6.4) U13(3.2,-6.4) U14(4,-6.4) U15(4.8,-6.4) U16(5.6,-6.4) U17(6.4,-6.4)